# Altium PCB LION_TRACKER_BKP.PcbDoc (part 1 of 2) (continued)
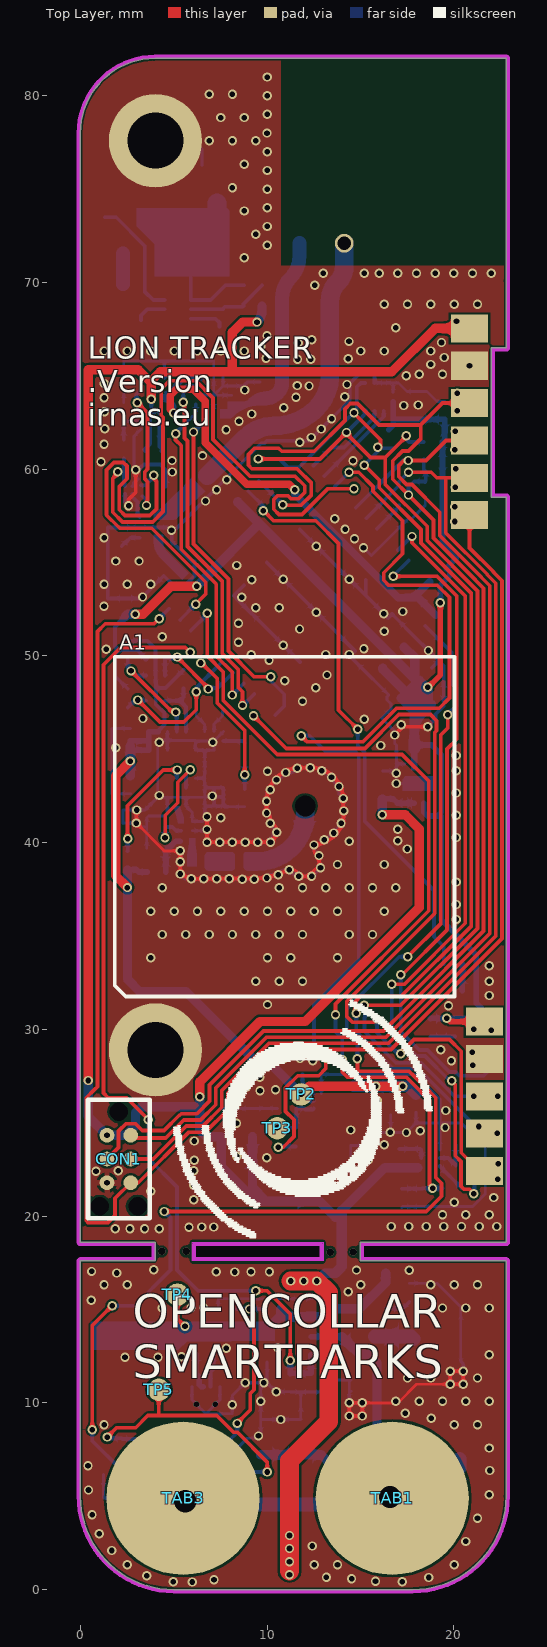
[diagram p0: Top Layer view]
## Part data (continued)
D3: library part "D_GREZ - MB1S", "Bridge Rectifier Diode, Single Phase, 100 V, 500 mA, SOIC, 1 V, 4 Pins", Diode Case Style=SOD-123, Forward Current If(AV)=300, Forward Surge Current Ifsm Max=2, Forward Voltage VF Max=1.25, Manufacturer="DIODES INC.", Manufacturer Part Number=1N4148W-7-F., Operating Temperature Max=150, Operating Temperature Min=-65, Operating Temperature Range="-65°C to +150°C<!--FANDB--><div class=\"features-and-benefits-container\"><div class=\"features-and-benefits-description\"><span class=\"features-benefits-value\">The 1N4148W-7-F is a surface mount fast Switching Diode with moulded plastic case. Suitable for general purpose switching applications.</span></div><div class=\"features-and-benefits-list\"><ul class=\"features-and-benefits-list-list\"><li class=\"features-and-benefits-list-item\">Fast Switching Speed</li><li class=\"features-and-benefits-list-item\">2", Repetitive Reverse Voltage Vrrm Max=100, Supplier Part Number 1=1467483, Automotive Qualification Standard=-, ComponentLink1Description=Datasheet, ComponentLink1URL=http://www.farnell.com/datasheets/2304089.pdf?_ga=2.145303924.1501170171.1569221802-1373726713.1554121096&_gac=1.216412644.1567774175.Cj0KCQjwh8jrBRDQARIsAH7BsXewc7Dwr4vpljjl78IYTw8YgbCKKX8PqbiwpEZSRALCWSJq0A6KVZoaAvm4EALw_wcB, Diode Configuration=Single, Diode Type=Switching, MSL="MSL 1 - Unlimited", No. of Pins=2, Packaging="Cut Tape", Pricing 1="1=0.136, 25=0.132, 100=0.0465, 500=0.042, 1000=0.024, 3000=0.021, 9000=0.017, 30000=0.0149 (GBP)", Product Range="1N4148 Series", Reverse Recovery Time trr Max=4, RoHS=YES, Stock 1=157320, Supplier 1=Farnell, SVHC="No SVHC (17-Dec-2015)"
D4: library part "D_TVS - SMAJ28A", "TVS Diode, SMAJ Series, Unidirectional, 28 V, 50 V, DO-214AC, 2 Pins", Manufacturer Part Number=SMAJ33A-13-F, Supplier Part Number 1=3127459, ComponentLink1Description=Datasheet, ComponentLink1URL=http://www.farnell.com/datasheets/2182694.pdf?_ga=2.17570096.807337928.1565251792-1741076818.1563951383, Supplier 1=Farnell
F1: library part "F - PTC FUSE 750mA", "LITTELFUSE - 0603L035YR - RESETTABLE FUSE, PTC, 40A, 6V, 0605", Carrying Current Max=40, Holding Current=350, Initial Resistance Max=1, IRNAS Part No.=/, Manufacturer=LITTELFUSE, Manufacturer Part Number=0603L035YR, Operating Temperature Max=85, Operating Temperature Min=-40, Operating Voltage=6, Power Dissipation Pd="0.5W<!--FANDB--><div class=\"features-and-benefits-container\"><div class=\"features-and-benefits-description\"><span class=\"features-benefits-value\">The POLYFUSE 0603", PTC Fuse Case Style="0603 [1608 Metric]", Supplier Part Number 1=2786561, Tripping Current=750, Automotive Qualification Standard=-, ComponentLink1Description=http://www.farnell.com/datasheets/611622.pdf, ComponentLink1URL=http://www.farnell.com/datasheets/611622.pdf, Holding Current Max Ih=350, Pricing 1="10=1.56, 100=1.22, 500=1.03, 1000=0.917, 2000=0.877, 4000=0.86, 20000=0.842, 40000=0.825 (GBP)", Product Range="POLYFUSE 0603", RoHS=YES, Stock 1=2393, Supplier 1=Farnell, Thermistor Mounting=SMD, Voltage Rating=6
L1: library part "L - 33nH/0402", "High Frequency Inductor, 8.2 nH, LQG15HN Series, 300 mA, 0402 [1005 Metric], Multilayer, 0.33 ohm", Case/Package=0402, Case Code (Metric)=1005, Current Rating=200mA, DC Resistance (DCR)=580mR, Inductance=33nh, IRNAS Part No.=/, Manufacturer=Murata, Manufacturer Part Number=LQG15HS33NJ02D, Max Operating Temperature=125°C, Min Operating Temperature=-55°C, Package Quantity=10000, Self Resonant Frequency=1.6GHz, Supplier Part Number 1=1343079, Test Frequency=100MHz, Tolerance=5%, Case Code (Imperial)=0402, ComponentLink1Description=https://datasheet.ciiva.com/11799/0900766b8090d685-11799024.pdf, ComponentLink1URL=https://datasheet.ciiva.com/11799/0900766b8090d685-11799024.pdf, ComponentLink2Description=https://datasheet.ciiva.com/1038/l0075s0083lqg15hs-1038140.pdf, ComponentLink2URL=https://datasheet.ciiva.com/1038/l0075s0083lqg15hs-1038140.pdf, ComponentLink3Description=https://datasheet.ciiva.com/1038/l0075s0083lqg15hs-1038141.pdf, ComponentLink3URL=https://datasheet.ciiva.com/1038/l0075s0083lqg15hs-1038141.pdf, ComponentLink4Description=https://datasheet.ciiva.com/16207/l0075s0083lqg15hs-16207871.pdf, ComponentLink4URL=https://datasheet.ciiva.com/16207/l0075s0083lqg15hs-16207871.pdf, ComponentLink5Description=https://datasheet.ciiva.com/1038/l0075s0083lqg15hs-1038139.pdf, ComponentLink5URL=https://datasheet.ciiva.com/1038/l0075s0083lqg15hs-1038139.pdf, ComponentLink6Description=https://datasheet.ciiva.com/17279/l0075s0083lqg15hs-17279253.pdf, ComponentLink6URL=https://datasheet.ciiva.com/17279/l0075s0083lqg15hs-17279253.pdf, ComponentLink7Description=https://datasheet.ciiva.com/4977/o05e-4977560.pdf, ComponentLink7URL=https://datasheet.ciiva.com/4977/o05e-4977560.pdf, ComponentLink8Description=https://datasheet.ciiva.com/8510/l0075s0083lqg15hs-8510857.pdf, ComponentLink8URL=https://datasheet.ciiva.com/8510/l0075s0083lqg15hs-8510857.pdf, Core Material=Air, DC Current=200mA, Depth=0.55mm, Height=0.5mm, Height - Seated (Max)=0.022inch, Lead Free="Lead Free", Length=1mm, Max DC Current=200mA, Military Standard=Not, Mount="Surface Mount", Packaging="Tape and Reel", Pricing 1="1=0.1, 10=0.061, 100=0.0404, 500=0.0337, 1000=0.0283, 2500=0.0242 (USD)", Q Factor=8, Radiation Hardening=No, Shielding=Unshielded, Stock 1=168013, Supplier 1=Farnell, Termination=SMD/SMT, Width=0.5mm
L4: library part "L - 4.3nH/0402", "Inductor RF Chip Multi-Layer 4.3nH 0.3nH 100MHz 8Q-Factor Air 300mA 210mOhm DCR 0402 Paper T/R", Case/Package=0402, Case Code (Metric)=1005, Current=300mA, DC Resistance (DCR)=210mR, Inductance=4.3nh, IRNAS Part No.=/, Manufacturer=Murata, Manufacturer Part Number=LQG15HN4N3S02D, Max Operating Temperature=125°C, Min Operating Temperature=-55°C, Package Quantity=10000, Self Resonant Frequency=6GHz, Supplier Part Number 1=1711735, Test Frequency=100MHz, Case Code (Imperial)=0402, ComponentLink1Description=http://uk.rs-online.com/webdocs/0f10/0900766b80f10808.pdf?src-supplier=RSComponents, ComponentLink1URL=http://uk.rs-online.com/webdocs/0f10/0900766b80f10808.pdf?src-supplier=RSComponents, ComponentLink2Description=http://search.murata.co.jp/Ceramy/image/img/PDF/ENG/L0075S0083LQG15HN.pdf?src-supplier=Avnet, ComponentLink2URL=http://search.murata.co.jp/Ceramy/image/img/PDF/ENG/L0075S0083LQG15HN.pdf?src-supplier=Avnet, ComponentLink3Description=http://www.farnell.com/datasheets/66026.pdf?src-supplier=Element14, ComponentLink3URL=http://www.farnell.com/datasheets/66026.pdf?src-supplier=Element14, ComponentLink4Description=https://www.verical.com/server-webapp/html/getDatasheet?partID=31252&src-supplier=Verical, ComponentLink4URL=https://www.verical.com/server-webapp/html/getDatasheet?partID=31252&src-supplier=Verical, ComponentLink5Description=http://search.murata.co.jp/Ceramy/image/img/PDF/ENG/L0075S0083LQG15HN.pdf?src-supplier=Avnet+Europe, ComponentLink5URL=http://search.murata.co.jp/Ceramy/image/img/PDF/ENG/L0075S0083LQG15HN.pdf?src-supplier=Avnet+Europe, ComponentLink6Description=https://search.murata.co.jp/Ceramy/image/img/P02/partnumberingAT_LQ3E.pdf?src-supplier=Digi-Key, ComponentLink6URL=https://search.murata.co.jp/Ceramy/image/img/P02/partnumberingAT_LQ3E.pdf?src-supplier=Digi-Key, Core Material=Air, Current Rating=300mA, DC Current=300mA, Depth=0.55mm, Height=0.5mm, Height - Seated (Max)=0.022inch, Lead Free="Lead Free", Length=1.05mm, Max DC Current=300mA, Military Standard=Not, Mount="Surface Mount", Packaging="Tape and Reel", Pricing 1="1 = 0.10000, 10 = 0.06100, 100 = 0.04040, 500 = 0.03366, 1000 = 0.02827, 2500 = 0.02423 (USD)", Q Factor=8, Radiation Hardening=No, REACH SVHC="No SVHC", RoHS=Yes, Shielding=Unshielded, Stock 1=3502, Supplier 1=Farnell, Termination=SMD/SMT, Width=0.02inch
L5: library part "L - 2.2 uH 900mA", "Power Inductor (SMD), 2.2 µH, 900 mA, Semishielded, 900 mA, SRN2009T Series, 2mm x 1.6mm x 0.95mm", IRNAS Part No.=/, Manufacturer=Bourns, Manufacturer Part Number=SRN2009T-2R2M, Supplier Part Number 1=2808272, Pricing 1="5=0.308, 50=0.201, 250=0.163, 500=0.145, 1000=0.133, 2000=0.124, 10000=0.116 (EUR)", Stock 1=1975, Supplier 1=Farnell
L6: library part "L - 22uH 1.1A SRN5020TA-220M", "Power Inductor (SMD), 22 µH, 1.1 A, Semishielded, 1.1 A, SRN5020TA Series, 5mm x 5mm x 1.8mm", DC Resistance Max=-, Inductance=33, Inductance Tolerance="± 20%", Inductor Construction=Shielded, IRNAS Part No.=/, Manufacturer=COILTRONICS, Manufacturer Part Number=DR125-330-R, Power Inductor Case="12.5mm x 12.5mm x 6", RMS Current (Irms)=3.28, Saturation Current (Isat)=3.84, Supplier Part Number 1=652-SRN5020TA-220M, ComponentLink1Description=Datasheet, ComponentLink1URL=http://www.farnell.com/datasheets/2675146.pdf?_ga=2.250340422.1501170171.1569221802-1373726713.1554121096&_gac=1.157768008.1567774175.Cj0KCQjwh8jrBRDQARIsAH7BsXewc7Dwr4vpljjl78IYTw8YgbCKKX8PqbiwpEZSRALCWSJq0A6KVZoaAvm4EALw_wcB, No. of Pins="2Pins<!--FANDB--><div class=\"features-and-benefits-container\"><div class=\"features-and-benefits-description\"><span class=\"features-benefits-value\">The DR125-330-R is a 33", Packaging="Cut Tape", Pricing 1="1=1.53, 10=1.02, 50=0.765, 100=0.68, 200=0.612, 600=0.51, 3000=0.456, 6000=0.447 (GBP)", Product Range="DR Series", RoHS=YES, Stock 1=5001, Supplier 1=Mouser, SVHC="No SVHC (15-Jun-2015)"
L7: library part "L - 1.5nH/0402", "1.5 nH, LQG15HS_02 Series, 1 A, 0402", Case/Package=0402, Case Code (Metric)=1005, Current=300mA, DC Resistance (DCR)=210mR, Inductance=4.3nh, IRNAS Part No.=/, Manufacturer=Murata, Manufacturer Part Number=LQG15HS1N5S02D, Max Operating Temperature=125°C, Min Operating Temperature=-55°C, Package Quantity=10000, Self Resonant Frequency=6GHz, Supplier Part Number 1=2840113, Test Frequency=100MHz, Case Code (Imperial)=0402, ComponentLink6Description=Datasheet, ComponentLink6URL=http://www.farnell.com/datasheets/2575533.pdf?_ga=2.129788748.1320867293.1574405148-1373726713.1554121096&_gac=1.24194632.1571402529.CjwKCAjwxaXtBRBbEiwAPqPxcCedmxiKa04iNyErqeZ3YE_megEuFQhz7mFuJRxR0uEYBmhYeHxt1xoC4MkQAvD_BwE, Core Material=Air, Current Rating=300mA, DC Current=300mA, Depth=0.55mm, Height=0.5mm, Height - Seated (Max)=0.022inch, Lead Free="Lead Free", Length=1.05mm, Max DC Current=300mA, Military Standard=Not, Mount="Surface Mount", Packaging="Tape and Reel", Pricing 1="1 = 0.10000, 10 = 0.06100, 100 = 0.04040, 500 = 0.03366, 1000 = 0.02827, 2500 = 0.02423 (USD)", Q Factor=8, Radiation Hardening=No, REACH SVHC="No SVHC", RoHS=Yes, Shielding=Unshielded, Stock 1=3502, Supplier 1=Farnell, Termination=SMD/SMT, Width=0.02inch
P1: "BATERRY 18650", Manufacturer 1=Samsung, Manufacturer Part Number=18650, Supplier 1=IRNAS
R1: library part "R - 0R/0402", "RESISTOR, 0402, 0R, ANTI SULFURATION", Case/Package=0402, Case Code (Metric)=1005, IRNAS Part No.=I-100016, Manufacturer=Multicomp, Manufacturer Part Number=MCMR04X000PTL, Power Rating=62.5mW, Resistance=0mR, Supplier Part Number 1=2072513, Temperature Coefficient=400ppm/°C, Voltage Rating=50V, Case Code (Imperial)=0402, ComponentLink1Description=https://datasheet.ciiva.com/7776/1716705-7776974.pdf, ComponentLink1URL=https://datasheet.ciiva.com/7776/1716705-7776974.pdf, ComponentLink2Description=https://datasheet.ciiva.com/28677/1716705-28677161.pdf, ComponentLink2URL=https://datasheet.ciiva.com/28677/1716705-28677161.pdf, Composition=Ceramic, Packaging="Cut Tape", Pricing 1="10=0.0057, 100=0.0034, 500=0.0024, 2500=0.0019, 5000=0.0015 (EUR)", REACH SVHC="No SVHC", Stock 1=0, Supplier 1=Farnell, Voltage Rating (DC)=50V
R2 R9 R14 R21 R23 R31: library part "R - 100R/0402", "100 ohm, 50 V, 0402 [1005 Metric], 62.5 mW,  1%", Case/Package=0402, Case Code (Metric)=1005, IRNAS Part No.=/, Manufacturer=Multicomp, Manufacturer Part Number=MCMR04X1000FTL, Power Rating=62.5mW, Supplier Part Number 1=2072515, Temperature Coefficient=100ppm/°C, Tolerance=1%, Voltage Rating=50V, Case Code (Imperial)=0402, ComponentLink1Description=https://datasheet.ciiva.com/28692/1716705-28692087.pdf, ComponentLink1URL=https://datasheet.ciiva.com/28692/1716705-28692087.pdf, ComponentLink2Description=https://datasheet.ciiva.com/22708/1716705-22708156.pdf, ComponentLink2URL=https://datasheet.ciiva.com/22708/1716705-22708156.pdf, Composition=Ceramic, Packaging="Cut Tape", Pricing 1="10=0.0071, 100=0.0042, 500=0.003, 2500=0.0024, 5000=0.0019 (GBP)", REACH SVHC="No SVHC", Resistance=100R, Stock 1=62365, Supplier 1=Farnell, Voltage Rating (DC)=50V
R3 R16 R22 R24 R27 R32: library part "R - 1M/0402", "MCMR04X1004FTL RES, 1M, 1%, 0.0625W, 0402, THICK FILM", IRNAS Part No.=I-100012, Manufacturer=MULTICOMP, Manufacturer Part Number=MC0063W060311M, Operating Temperature Max=155, Operating Temperature Min=-55, Operating Temperature Range="-55°C to +155", Power Rating=63, Resistance=1, Resistance Tolerance="± 1%", Resistor Case Style="0603 [1608 Metric]", Resistor Element Material="Thick Film", Resistor Mounting="Surface Mount Device", Supplier Part Number 1=9330410, Temperature Coeff. +=100, Temperature Coefficient="± 100", Tolerance +=1%, Voltage Rating=50, Voltage Rating V DC="50V<!--FANDB--><div class=\"features-and-benefits-container\"><div class=\"features-and-benefits-description\"><span class=\"features-benefits-value\">The Multicomp MC series current sense resistors are thick film chip resistors. The resistance range includes E96 and E24 decade values from 1ohm to 10Mohm.</span></div><div class=\"features-and-benefits-list\"><ul class=\"features-and-benefits-list-list\"><li class=\"features-and-benefits-list-item\">EIA 0402, 0603, 0805, 1206 chip sizes available</li><li class=\"features-and-benefits-list-item\">Small size and low weight</li><li class=\"features-and-benefits-list-item\">Suitable for both wave and reflow soldering</li><li class=\"features-and-benefits-list-item\">Reduction of assembly costs</li><li class=\"features-and-benefits-list-item\">Maximum working voltage of 50V(0402, 0603), 150V(0805), 200V(1206)</li><li class=\"features-and-benefits-list-item\">Available in ±1%, ±2% and ±5% tolerance</li><li class=\"features-and-benefits-list-item\">Power rating of 62.5mW, 100mW and 125mW</li><li class=\"features-and-benefits-list-item\">±400ppm/°C(1ohm to 10ohm), ±200ppm/°C(11ohm to 100ohm), ±100", Automotive Qualification Standard=-, ComponentLink1Description=http://www.farnell.com/datasheets/1788326.pdf, ComponentLink1URL=http://www.farnell.com/datasheets/1788326.pdf, ComponentLink2Description=http://www.farnell.com/cad/1558928.zip, ComponentLink2URL=http://www.farnell.com/cad/1558928.zip, External Depth=0.45, External Length / Height=1.6, External Width=0.8, No. of Pins=2, Packaging="Cut Tape", Pricing 1="10=0.0011, 100=0.001, 500=0.0009, 1000=0.0008, 2500=0.0007 (GBP)", Product Range="MC Series", Reel Quantity=5000, RoHS=Y-EX, Stock 1=333415, Supplier 1=Farnell, SVHC="No SVHC (17-Dec-2015)", Tape Width=8, Temperature Coeff. -=100, Tolerance -=1%
R4 R5 R6 R7 R8 R13 R20: library part "R - 100k/0402", "100KOHM, 1%, 0.0625W", Case/Package=0402, Case Code (Metric)=1005, IRNAS Part No.=I-100013, Manufacturer=Multicomp, Manufacturer Part Number=MCWR04X1003FTL, Power Rating=62.5mW, Resistance=100kR, Supplier Part Number 1=2447094, Temperature Coefficient=100ppm/°C, Tolerance=1%, Voltage Rating=50V, Case Code (Imperial)=0402, ComponentLink1Description=https://datasheet.ciiva.com/46386/1849611-46386524.pdf, ComponentLink1URL=https://datasheet.ciiva.com/46386/1849611-46386524.pdf, Composition="Thick Film", Mount="Surface Mount", Packaging="Cut Tape", Pricing 1="10=0.0029, 100=0.0017, 500=0.0012, 2500=0.001, 5000=0.0008 (EUR)", REACH SVHC="No SVHC", Stock 1=161188, Supplier 1=Farnell, Voltage Rating (DC)=50V
R10 R11 R17 R18 R30: library part "R - 10k/0402", "10 kohm, 50 V, 0402 [1005 Metric], 62.5 mW,  1%, MCWR Series", Case/Package=0402, Case Code (Metric)=1005, IRNAS Part No.=I-100014, Manufacturer=Multicomp, Manufacturer Part Number=MCWR04X1002FTL, Power Rating=62.5mW, Resistance=10kR, Supplier Part Number 1=2447096, Temperature Coefficient=100ppm/°C, Tolerance=1%, Voltage Rating=50V, Case Code (Imperial)=0402, ComponentLink1Description=http://www.farnell.com/datasheets/1849611.pdf, ComponentLink1URL=http://www.farnell.com/datasheets/1849611.pdf, Composition="Thick Film", Packaging="Cut Tape", Pricing 1="10=0.0029, 100=0.0017, 500=0.0012, 2500=0.001, 5000=0.0008 (EUR)", REACH SVHC="No SVHC", Stock 1=602609, Supplier 1=Farnell, Voltage Rating (DC)=50V
R12: library part "R - 330R/0402", "MULTICOMP   MCMR04X3300FTL   Surface Mount Chip Resistor, Ceramic, MCMR Series, 330 ohm, 62.5 mW,  1%, 50 V, 0402 [1005 Metric]", Case/Package=0402, Case Code (Metric)=1005, IRNAS Part No.=/, Manufacturer=Multicomp, Manufacturer Part Number=MCMR04X3300FTL, Power Rating=62.5mW, Supplier Part Number 1=2692084, Temperature Coefficient=100ppm/°C, Tolerance=1%, Voltage Rating=50V, Case Code (Imperial)=0402, ComponentLink1Description=https://datasheet.ciiva.com/28673/1716706-28673288.pdf, ComponentLink1URL=https://datasheet.ciiva.com/28673/1716706-28673288.pdf, Composition=Ceramic, Packaging="Cut Tape", Pricing 1="10000=0.0015, 50000=0.0013 (EUR)", REACH SVHC="No SVHC", Resistance=330R, Stock 1=20000, Supplier 1=Farnell, Voltage Rating (DC)=50V
R15: library part "R - 390R/0402", "390 ohm, MCWR Series, 50 V, Thick Film, 62.5 mW", Case/Package=0402, Case Code (Metric)=1005, IRNAS Part No.=/, Manufacturer=Multicomp, Manufacturer Part Number=390/0402, Power Rating=62.5mW, Supplier Part Number 1=2447165, Temperature Coefficient=400ppm/°C, Voltage Rating=50V, Case Code (Imperial)=0402, ComponentLink1Description=Datasheet, ComponentLink1URL=http://www.farnell.com/datasheets/2563624.pdf?_ga=2.57959210.1822379758.1564985606-1373726713.1554121096&_gac=1.48955732.1562763802.CjwKCAjwmZbpBRAGEiwADrmVXm8xT8OHDZvJe8qZIQyyGmIuiUD-TEITatw0hIdDkyBwIXXCH7oneRoCl7cQAvD_BwE, Composition=Ceramic, Packaging="Cut Tape", Pricing 1="10=0.0057, 100=0.0034, 500=0.0024, 2500=0.0019, 5000=0.0015 (EUR)", REACH SVHC="No SVHC", Resistance=390R, Stock 1=0, Supplier 1=Farnell, Voltage Rating (DC)=50V
R19: library part "R - 50R", "50 ohm, FC Series, 30 V, Thin Film, 50 mW", Case/Package=0603, Case Code (Metric)=1608, IRNAS Part No.=/, Manufacturer=Vishay, Manufacturer Part Number=CRCW060351R0FKEA, Max Operating Temperature=155°C, Max Power Dissipation=100mW, Min Operating Temperature=-55°C, Package Quantity=10, Resistance=51R, Supplier Part Number 1=2309101, Temperature Coefficient=100ppm/°C, Tolerance=1%, Voltage Rating=75V, Case Code (Imperial)=0603, ComponentLink11Description=Datasheet, ComponentLink11URL=http://www.farnell.com/datasheets/2045976.pdf?_ga=2.23751994.1451481302.1563774341-1373726713.1554121096&_gac=1.92491119.1562763802.CjwKCAjwmZbpBRAGEiwADrmVXm8xT8OHDZvJe8qZIQyyGmIuiUD-TEITatw0hIdDkyBwIXXCH7oneRoCl7cQAvD_BwE, Composition="Thick Film", Contact Plating=Tin, Depth=0.85mm, Height=0.45mm, Lead Free="Lead Free", Length=1.55mm, Military Standard=Not, Number of Pins=2, Number of Terminations=2, Packaging="Tape and Reel", Power Rating=100mW, Pricing 1="10=0.0116, 250=0.0087, 500=0.0059, 1250=0.0052, 2500=0.0046 (GBP)", Radiation Hardening=No, REACH SVHC=Unknown, Stock 1=1083, Supplier 1=Farnell, Termination=SMD/SMT, Voltage Rating (DC)=75V, Weight=7.1E-05oz, Width=0.85mm, Working Voltage=75V
R25: library part "R - 768k/0402", "RESISTOR, 0402, 768k, ANTI SULFURATION", Case/Package=0402, Case Code (Metric)=1005, IRNAS Part No.=I-100016, Manufacturer=Multicomp, Manufacturer Part Number=MCMR04X000PTL, Power Rating=62.5mW, Resistance=0mR, Supplier Part Number 1=2670555, Temperature Coefficient=400ppm/°C, Voltage Rating=50V, Case Code (Imperial)=0402, Composition=Ceramic, Packaging="Cut Tape", Pricing 1="10=0.0057, 100=0.0034, 500=0.0024, 2500=0.0019, 5000=0.0015 (EUR)", REACH SVHC="No SVHC", Stock 1=0, Supplier 1=Farnell, Voltage Rating (DC)=50V
R26: library part "R - 0R", "BOURNS - CR0603-J/-000ELF - RES, THICK FILM, 0R, 5%, 0.1W, 0603", IRNAS Part No.=I-100011, Manufacturer=BOURNS, Manufacturer Part Number=CR0603-J/-000ELF, Power Rating=100, Resistance=0, Resistance Tolerance="± 5%", Resistor Case Style="0603 [1608 Metric]", Resistor Element Material="Thick Film", Resistor Mounting="Surface Mount Device<!--FANDB--><div class=\"features-and-benefits-container\"><div class=\"features-and-benefits-description\"><span class=\"features-benefits-value\">The Bourns CR series are standard thick film chip resistors. These resistors provide flexibility of performance, space saving and low cost. The Resistance range includes E96 and E24 decade values from 1ohm to 10Mohm.</span></div><div class=\"features-and-benefits-list\"><ul class=\"features-and-benefits-list-list\"><li class=\"features-and-benefits-list-item\">0201, 0402, 0603, 0805, 1206, 1210, 2010, 2512 standard case sizes available</li><li class=\"features-and-benefits-list-item\">±1% and ±5% tolerance</li><li class=\"features-and-benefits-list-item\">±100ppm/°C, ±200ppm/°C and ±250ppm/°C TCR values available</li><li class=\"features-and-benefits-list-item\">Power rating selectable for 50mW, 63mW, 0.1W, 0.125W, 0.25W, 0.5W and 1W based on ordering</li><li class=\"features-and-benefits-list-item\">Jumpers are available for all size</li><li class=\"features-and-benefits-list-item\">3 layer termination process with nickel barrier prevents leaching & provides excellent solderability</li><li class=\"features-and-benefits-list-item\">Suitable for all type of soldering processes</li><li class=\"features-and-benefits-list-item\">Tight dimensional tolerances</li><li class=\"features-and-benefits-list-item\">Maximum working voltage depends on case size</li><li class=\"features-and-benefits-list-item\">Operating temperature of -55°C to +125°C(CR0201) and -55°C to +155", Supplier Part Number 1=2008343, Temperature Coefficient=-, Voltage Rating=50, Automotive Qualification Standard=-, ComponentLink1Description=http://www.bourns.com/engineering/CHPREZTR/cr0603.stp, ComponentLink1URL=http://www.bourns.com/engineering/CHPREZTR/cr0603.stp, ComponentLink2Description=http://www.farnell.com/datasheets/2178762.pdf, ComponentLink2URL=http://www.farnell.com/datasheets/2178762.pdf, MSL="MSL 1 - Unlimited", Packaging="Cut Tape", Pricing 1="10=0.0146, 250=0.0097, 1000=0.0073, 5000=0.0049, 12500=0.0042 (GBP)", Product Range="CR Series", RoHS=YES, Stock 1=58200, Supplier 1=Farnell, SVHC="No SVHC (17-Dec-2015)"
R28: library part "R - 10k/0402", "52.3 kohm, 50 V, 0402 [1005 Metric], 62.5 mW,  1%, MCWR Series", Case/Package=0402, Case Code (Metric)=1005, Manufacturer=Multicomp, Manufacturer Part Number=MCWR04X1002FTL, Power Rating=62.5mW, Resistance=10kR, Supplier Part Number 1=2073114, Temperature Coefficient=100ppm/°C, Tolerance=1%, Voltage Rating=50V, Case Code (Imperial)=0402, ComponentLink1Description=http://www.farnell.com/datasheets/1849611.pdf, ComponentLink1URL=http://www.farnell.com/datasheets/1849611.pdf, Composition="Thick Film", Packaging="Cut Tape", Pricing 1="10=0.0029, 100=0.0017, 500=0.0012, 2500=0.001, 5000=0.0008 (EUR)", REACH SVHC="No SVHC", Stock 1=602609, Supplier 1=Farnell, Voltage Rating (DC)=50V
R29: library part "R - 2k/0402", "2 kohm, 62.5 mW,  1%, 50 V", Case/Package=0402, Case Code (Metric)=1005, IRNAS Part No.=/, Manufacturer=Multicomp, Manufacturer Part Number=MCWR04X2001FTL, Power Rating=62.5mW, Resistance=2kR, Supplier Part Number 1=2447147, Temperature Coefficient=100ppm/°C, Tolerance=1%, Voltage Rating=50V, Case Code (Imperial)=0402, ComponentLink1Description=https://datasheet.ciiva.com/46443/1849611-46443359.pdf, ComponentLink1URL=https://datasheet.ciiva.com/46443/1849611-46443359.pdf, Composition="Thick Film", Mount="Surface Mount", Packaging="Cut Tape", Pricing 1="10=0.0029, 100=0.0017, 500=0.0012, 2500=0.001, 5000=0.0008 (EUR)", REACH SVHC="No SVHC", Stock 1=18534, Supplier 1=Farnell, Voltage Rating (DC)=50V
R33: library part "R - 165k/0402", "RES SMD 165K OHM 1% 1/16W 0402", Case/Package=0402, Case Code (Metric)=1005, IRNAS Part No.=/, Manufacturer=Vishay, Manufacturer Part Number=CRCW0402165KFKED, Max Operating Temperature=155°C, Max Power Dissipation=63mW, Min Operating Temperature=-55°C, Package Quantity=10, Resistance=165kR, Supplier Part Number 1=2072686, Temperature Coefficient=100ppm/°C, Tolerance=1%, Voltage Rating=50V, Case Code (Imperial)=0402, ComponentLink1Description=https://datasheet.ciiva.com/11817/0900766b80d98824-11817998.pdf, ComponentLink1URL=https://datasheet.ciiva.com/11817/0900766b80d98824-11817998.pdf, ComponentLink2Description=https://datasheet.ciiva.com/2463/dcrcwe3-2463568.pdf, ComponentLink2URL=https://datasheet.ciiva.com/2463/dcrcwe3-2463568.pdf, ComponentLink3Description=https://datasheet.ciiva.com/2463/dcrcwe3-2463569.pdf, ComponentLink3URL=https://datasheet.ciiva.com/2463/dcrcwe3-2463569.pdf, ComponentLink4Description=https://datasheet.ciiva.com/2463/dcrcwe3-2463570.pdf, ComponentLink4URL=https://datasheet.ciiva.com/2463/dcrcwe3-2463570.pdf, ComponentLink5Description=https://datasheet.ciiva.com/16202/dcrcwe3-16202613.pdf, ComponentLink5URL=https://datasheet.ciiva.com/16202/dcrcwe3-16202613.pdf, ComponentLink6Description=https://datasheet.ciiva.com/22705/1697337-22705813.pdf, ComponentLink6URL=https://datasheet.ciiva.com/22705/1697337-22705813.pdf, ComponentLink7Description=https://datasheet.ciiva.com/22676/1912744-22676022.pdf, ComponentLink7URL=https://datasheet.ciiva.com/22676/1912744-22676022.pdf, ComponentLink8Description=https://datasheet.ciiva.com/3256/dcrcwe3-3256088.pdf, ComponentLink8URL=https://datasheet.ciiva.com/3256/dcrcwe3-3256088.pdf, ComponentLink9Description=https://datasheet.ciiva.com/16760/70201119-16760089.pdf, ComponentLink9URL=https://datasheet.ciiva.com/16760/70201119-16760089.pdf, ComponentLink10Description=https://datasheet.ciiva.com/7714/1697337-7714174.pdf, ComponentLink10URL=https://datasheet.ciiva.com/7714/1697337-7714174.pdf, ComponentLink11Description=https://datasheet.ciiva.com/5545/dcrcwe3-109170-5545151.pdf, ComponentLink11URL=https://datasheet.ciiva.com/5545/dcrcwe3-109170-5545151.pdf, ComponentLink12Description=https://datasheet.ciiva.com/7714/1697337-7714175.pdf, ComponentLink12URL=https://datasheet.ciiva.com/7714/1697337-7714175.pdf, Composition="Thick Film", Contact Plating=Tin, Depth=0.5mm, Height=0.35mm, Length=1mm, Military Standard=Not, Number of Pins=2, Number of Terminations=2, Packaging="Tape and Reel", Power Rating=63mW, Pricing 1="1=0.1, 10=0.044, 100=0.0178, 1000=0.00802, 2500=0.00696, 5000=0.00575 (USD)", REACH SVHC=Unknown, Stock 1=5845, Supplier 1=Farnell, Termination=SMD/SMT, Weight=2.3E-05oz, Width=0.02inch
R34: library part "R - 10k/0402", "10 kohm, 50 V, 0402, 62.5 mW,  1%,", Case/Package=0402, Case Code (Metric)=1005, IRNAS Part No.=I-100014, Manufacturer=Multicomp, Manufacturer Part Number=MCWR04X1002FTL, Power Rating=62.5mW, Resistance=10kR, Supplier Part Number 1=2447096, Temperature Coefficient=100ppm/°C, Tolerance=1%, Voltage Rating=50V, Case Code (Imperial)=0402, ComponentLink1Description=http://www.farnell.com/datasheets/1849611.pdf, ComponentLink1URL=http://www.farnell.com/datasheets/1849611.pdf, Composition="Thick Film", Packaging="Cut Tape", Pricing 1="10=0.0029, 100=0.0017, 500=0.0012, 2500=0.001, 5000=0.0008 (EUR)", REACH SVHC="No SVHC", Stock 1=602609, Supplier 1=Farnell, Voltage Rating (DC)=50V
R35: library part "R - 330R/0402", "330 ohm, 62.5 mW,  1%, 50 V, 0402 [1005 Metric]", Case/Package=0402, Case Code (Metric)=1005, IRNAS Part No.=/, Manufacturer=Multicomp, Manufacturer Part Number=MCMR04X3300FTL, Power Rating=62.5mW, Supplier Part Number 1=2692084, Temperature Coefficient=100ppm/°C, Tolerance=1%, Voltage Rating=50V, Case Code (Imperial)=0402, ComponentLink1Description=https://datasheet.ciiva.com/28673/1716706-28673288.pdf, ComponentLink1URL=https://datasheet.ciiva.com/28673/1716706-28673288.pdf, Composition=Ceramic, Packaging="Cut Tape", Pricing 1="10000=0.0015, 50000=0.0013 (EUR)", REACH SVHC="No SVHC", Resistance=330R, Stock 1=20000, Supplier 1=Farnell, Voltage Rating (DC)=50V
R36: library part "R - 2k/0402", "2.2 kohm, 62.5 mW,  1%, 50 V", Case/Package=0402, Case Code (Metric)=1005, Manufacturer=Multicomp, Manufacturer Part Number=MCWR04X2001FTL, Power Rating=62.5mW, Resistance="2k\"R", Supplier Part Number 1=2447148, Temperature Coefficient=100ppm/°C, Tolerance=1%, Voltage Rating=50V, Case Code (Imperial)=0402, ComponentLink1Description=https://datasheet.ciiva.com/46443/1849611-46443359.pdf, ComponentLink1URL=https://datasheet.ciiva.com/46443/1849611-46443359.pdf, Composition="Thick Film", Mount="Surface Mount", Packaging="Cut Tape", Pricing 1="10=0.0029, 100=0.0017, 500=0.0012, 2500=0.001, 5000=0.0008 (EUR)", REACH SVHC="No SVHC", Stock 1=18534, Supplier 1=Farnell, Voltage Rating (DC)=50V
T1: library part "T_M - NTZD3154NT1G", "Dual MOSFET, Dual N Channel, 540 mA, 20 V, 0.4 ohm, 4.5 V, 1 V", Supplier Part Number 1=2533209, Author="Ciril Golob", ComponentLink1Description=Datasheet, ComponentLink1URL=c:\ELRADSVN\Altium_Library\Libraries\Active\Datasheet\BSS123.pdf, ComponentLink2Description="Datasheet www", ComponentLink2URL=http://www.onsemi.com/pub/Collateral/BSS123-D.PDF, Date=11.07.2018, ELRAD Id sifra / ELRAD Id No=597778, FIT=0.44, Komp / Device=SMD, Manufacturer Part Number=NTZD3154NT1G, Opis / Description="MOSFET BSS123       /N-Channel", Supplier 1=Farnell, Velikost / Size=SOT23
T2 T3: library part "T_M - VT6M1T2CR", "Dual MOSFET, N and P Channel, 100 mA, 20 V, 2.5 ohm, 4.5 V, 1 V", Supplier Part Number 1=2706721, Author="Ciril Golob", ComponentLink1Description=Datasheet, ComponentLink1URL=http://www.farnell.com/datasheets/2198041.pdf?_ga=2.191543850.1451481302.1563774341-1373726713.1554121096&_gac=1.95045230.1562763802.CjwKCAjwmZbpBRAGEiwADrmVXm8xT8OHDZvJe8qZIQyyGmIuiUD-TEITatw0hIdDkyBwIXXCH7oneRoCl7cQAvD_BwE, ComponentLink2Description="Datasheet www", ComponentLink2URL=http://www.onsemi.com/pub/Collateral/BSS123-D.PDF, Date=11.07.2018, ELRAD Id sifra / ELRAD Id No=597778, FIT=0.44, Komp / Device=SMD, Manufacturer Part Number=VT6M1T2CR, Opis / Description="MOSFET BSS123       /N-Channel", Supplier 1=Farnell, Velikost / Size=SOT23
T4: library part "T_M - DMG2302UK", "MOSFET Transistor, N Channel, 2.8 A, 20 V, 0.061 ohm, 4.5 V, 600 mV", Supplier Part Number 1=3127315, Author="Ciril Golob", ComponentLink1Description=Datasheet, ComponentLink1URL=c:\ELRADSVN\Altium_Library\Libraries\Active\Datasheet\BSS123.pdf, ComponentLink2Description="Datasheet www", ComponentLink2URL=http://www.onsemi.com/pub/Collateral/BSS123-D.PDF, Date=11.07.2018, ELRAD Id sifra / ELRAD Id No=597778, FIT=0.44, Komp / Device=SMD, Manufacturer Part Number=DMG2302UK-7, Opis / Description="MOSFET BSS123       /N-Channel", Supplier 1=Farnell, Velikost / Size=SOT23
T5 T6: library part "T_M - SI2374DS-T1-GE3", "MOSFET Transistor, N Channel, 5.9 A, 20 V, 0.025 ohm, 4.5 V, 1 V", Supplier Part Number 1=2646371, Author="Ciril Golob", ComponentLink1Description=Datasheet, ComponentLink1URL=c:\ELRADSVN\Altium_Library\Libraries\Active\Datasheet\BSS123.pdf, ComponentLink2Description="Datasheet www", ComponentLink2URL=http://www.onsemi.com/pub/Collateral/BSS123-D.PDF, Date=11.07.2018, ELRAD Id sifra / ELRAD Id No=597778, FIT=0.44, Komp / Device=SMD, Manufacturer Part Number=SI2374DS-T1-GE3, Opis / Description="MOSFET BSS123       /N-Channel", Supplier 1=Farnell, Velikost / Size=SOT23
TAB1 TAB3: library part "TAB - WP-SMBU SMD", "WP-SMBU SMD Internal blind-hole thread w. Pins", Manufacturer Part Number=7466203, Supplier Part Number 1=2405986, ComponentLink1Description=Datasheet, ComponentLink1URL=https://katalog.we-online.com/em/datasheet/7466103.pdf, Supplier 1=Farnell
TP2 TP3 TP4 TP5: "TEST POINT ROUND SMD", ComponentLink1Description=Datasheet, FIT=0.94, Komp / Device=SMD
U1: library part "RF - UBLOX-ZOE-M8B", "ZOE-M8 RF Receiver BeiDou, Galileo, GLONASS, GNSS, GPS -160dBm", Manufacturer=u-blox, Manufacturer Part Number=MAX-M8Q-0, Supplier Part Number 1=672-1063-1-ND, Stock 1=10805, Supplier 1=Digi-Key
U2: library part "RF - MAX2659", "RF Amplifier, GPS / GNSS, 20.5 dB Gain / 0.8 dB Noise, 1575.42 MHz, 1.6 V to 3.3 V Supply", Manufacturer=u-blox, Manufacturer Part Number=MAX-M8Q-0, Supplier Part Number 1=2800966, ComponentLink1Description=Datasheet, ComponentLink1URL=D:\altium\Altium_Library\Active\Datasheet\MAX2659.pdf, Stock 1=10805, Supplier 1=Farnell, Supplier 2=Mouser, Supplier Part Number 2=700-MAX2659ELT+T
U3: library part "RF - PE64102", "RF IC Digitally Tunable Capacitor General Purpose 100MHz ~ 3GHz SPI Interface 12-QFN (2x2)", Manufacturer=u-blox, Manufacturer Part Number=MAX-M8Q-0, Supplier Part Number 1=1046-1066-1-ND, Stock 1=10805, Supplier 1=Digi-Key
U4: library part "MCU - CMWX1ZZABZ", "RF Module, FSK, OOK, LoRa, 4.8Kbps, 915MHz, -135.5dBm, 2.2V to 3.6V, I2C, SPI, UART, USB", Manufacturer=Murata, Manufacturer Part Number=CMWX1ZZABZ-091, Supplier Part Number 1=81-CMWX1ZZABZ-091, ComponentLink1Description=Datasheet, ComponentLink1URL=D:\altium\Altium_Library\Active\Datasheet\CMWX1ZZABZ.pdf, Pricing 1="1=11.7, 5=11.06, 10=9.94, 50=9.54, 100=9.14, 250=8.05 (GBP)", Stock 1=175, Supplier 1=Mouser
U5: library part "RF - HHM22106C1", "Signal Conditioning DIRECTIONAL COUPLER 700-2700MHz", Manufacturer=u-blox, Manufacturer Part Number=MAX-M8Q-0, Supplier Part Number 1=810-HHM22106C1, ComponentLink1Description=Datasheet, ComponentLink1URL=https://eu.mouser.com/datasheet/2/400/f_coupler_hhm22106c1_en-1308651.pdf, Stock 1=10805, Supplier 1=Mouser
U6: library part "RF - LMH2110TMX", "RF Detector IC GSM, EDGE, CDMA 50MHz ~ 8GHz -40dBm ~ 5dBm ±0,5dB", Manufacturer=u-blox, Manufacturer Part Number=MAX-M8Q-0, Supplier Part Number 1=926-LMH2110TMX/NOPB, ComponentLink1Description=Datasheet, ComponentLink1URL=http://www.ti.com/lit/ds/symlink/lmh2110.pdf, Stock 1=10805, Supplier 1=Mouser
U7: library part "V_SW - MAX38640AENT+", "Switching Voltage Regulators Tiny 300nA nanoPower Buck converters in uDFN and WLP pacakges", DC / DC Converter IC Case=TO-263, Input Voltage Max=45, Input Voltage Min=4.5, Manufacturer=ROHM, Manufacturer Part Number=BD70522GUL, Operating Temperature Max=125, Output Current=3, Output Voltage Max=37, Output Voltage Min=1.23, Supplier Part Number 1=700-MAX38640AENT+, Switching Frequency=150, Automotive Qualification Standard=-, ComponentLink1Description=Datasheet, ComponentLink1URL=https://eu.mouser.com/datasheet/2/256/MAX38640A-MAX38643B-1516623.pdf, MSL="MSL 1 - Unlimited", No. of Outputs=1, No. of Pins=5, Packaging=Each, Product Range=-, RoHS=YES, Supplier 1=Mouser, SVHC="No SVHC (12-Jan-2017", Topology="Buck (Step Down)"
U8: library part "V_LIN - MCP1810T", "LDO Voltage Regulator, Fixed, 2.5 V to 5.5 V in, 2.5 V/150 mA out, 380 mV drop", DC / DC Converter IC Case=TO-263, Input Voltage Max=45, Input Voltage Min=4.5, Manufacturer="ON SEMICONDUCTOR", Manufacturer Part Number=LM2596DSADJG, Operating Temperature Max=125, Output Current=3, Output Voltage Max=37, Output Voltage Min=1.23, Supplier Part Number 1=2678432, Switching Frequency=150, Automotive Qualification Standard=-, MSL="MSL 1 - Unlimited", No. of Outputs=1, No. of Pins=5, Packaging=Each, Pricing 1="1=1.98, 10=1.49, 100=1.19, 500=1.04, 1000=0.859, 2500=0.785 (GBP)", Product Range=-, RoHS=YES, Stock 1=342, Supplier 1=Farnell, Supplier 2=Mouser, Supplier 3=Digi-Key, Supplier Part Number 2=579-MCP1810T-25I/J8A, Supplier Part Number 3=MCP1810T-25I/J8ADKR-ND, SVHC="No SVHC (12-Jan-2017", Topology="Buck (Step Down)"
U9: library part "SEN - DRV5032FBDBZR", "Board Mount Hall Effect/Magnetic Sensors LP HALL 32FBDBZR", Case/Package=QFN, Manufacturer="TDK InvenSense", Manufacturer Part Number=MPU-9250, Max Operating Temperature=85°C, Max Supply Voltage=3.6V, Min Operating Temperature=-40°C, Min Supply Voltage=2.4V, Package Quantity=1, Supplier Part Number 1=595-DRV5032FBDBZR, ComponentLink1Description=Datasheet, ComponentLink1URL=http://www.ti.com/general/docs/suppproductinfo.tsp?distId=26&gotoUrl=http%3A%2F%2Fwww.ti.com%2Flit%2Fgpn%2Fdrv5032, Height=1mm, Interface=I2C, Length=3.1mm, Mount="Surface Mount", Number of Pins=24, Output Type=SPI, RoHS=Yes, Sensor Type=Accelerometer, Stock 1=0, Supplier 1=Mouser, Width=3.1mm
U10: library part "SEN - LIS2DW12TR", "MEMS Accelerometer, Digital, X, Y, Z, ± 2g, ± 4g, ± 8g, ± 16g, 1.62 V, 3.6 V", Case/Package=QFN, Manufacturer="TDK InvenSense", Manufacturer Part Number=MPU-9250, Max Operating Temperature=85°C, Max Supply Voltage=3.6V, Min Operating Temperature=-40°C, Min Supply Voltage=2.4V, Package Quantity=1, Supplier Part Number 1=2849615, ComponentLink1Description=Datasheet, ComponentLink1URL=D:\altium\Altium_Library\Active\Datasheet\LIS2DW12TR.pdf, Height=1mm, Interface=I2C, Length=3.1mm, Mount="Surface Mount", Number of Pins=24, Output Type=SPI, RoHS=Yes, Sensor Type=Accelerometer, Stock 1=0, Supplier 1=Farnell, Width=3.1mm
U12: library part "V_SW - MCP16311T-E/MNY", "DC-DC Synchronous Buck Regulator, Adjustable, 4.4V to 30V In, 2V to 24V/1A Out, 500kHz", DC / DC Converter IC Case=TO-263, Input Voltage Max=45, Input Voltage Min=4.5, Manufacturer=ROHM, Manufacturer Part Number=BD70522GUL, Operating Temperature Max=125, Output Current=3, Output Voltage Max=37, Output Voltage Min=1.23, Supplier Part Number 1=2857600, Switching Frequency=150, Automotive Qualification Standard=-, ComponentLink1Description=DataSheet, ComponentLink1URL=http://www.farnell.com/datasheets/1886710.pdf?_ga=2.254397512.1501170171.1569221802-1373726713.1554121096&_gac=1.218101220.1567774175.Cj0KCQjwh8jrBRDQARIsAH7BsXewc7Dwr4vpljjl78IYTw8YgbCKKX8PqbiwpEZSRALCWSJq0A6KVZoaAvm4EALw_wcB, MSL="MSL 1 - Unlimited", No. of Outputs=1, No. of Pins=5, Packaging=Each, Product Range=-, RoHS=YES, Supplier 1=Farnell, SVHC="No SVHC (12-Jan-2017", Topology="Buck (Step Down)"
U13: library part "V_CHG - MCP73812T-420I/OT", "Battery Charger for 1 Cell of Li-Ion, Li-Pol battery, 6V input, 4.2V / 500mA charge", DC / DC Converter IC Case=TO-263, Input Voltage Max=45, Input Voltage Min=4.5, Manufacturer=ROHM, Manufacturer Part Number=BD70522GUL, Operating Temperature Max=125, Output Current=3, Output Voltage Max=37, Output Voltage Min=1.23, Supplier Part Number 1=1627187, Switching Frequency=150, Automotive Qualification Standard=-, ComponentLink1Description=DataSheet, ComponentLink1URL=http://www.farnell.com/datasheets/77596.pdf?_ga=2.208849234.1501170171.1569221802-1373726713.1554121096&_gac=1.183481812.1567774175.Cj0KCQjwh8jrBRDQARIsAH7BsXewc7Dwr4vpljjl78IYTw8YgbCKKX8PqbiwpEZSRALCWSJq0A6KVZoaAvm4EALw_wcB, MSL="MSL 1 - Unlimited", No. of Outputs=1, No. of Pins=5, Packaging=Each, Product Range=-, RoHS=YES, Supplier 1=Farnell, SVHC="No SVHC (12-Jan-2017", Topology="Buck (Step Down)"
U14: library part "BAT_PROTECT - BQ29700DSET", "Li-Ion Battery, Li-Pol Voltage & Current Protector, Single Cell, 1.5 V to 8 V supply,", DC / DC Converter IC Case=TO-263, Input Voltage Max=45, Input Voltage Min=4.5, Manufacturer="ON SEMICONDUCTOR", Manufacturer Part Number=LM2596DSADJG, Operating Temperature Max=125, Output Current=3, Output Voltage Max=37, Output Voltage Min=1.23, Supplier Part Number 1=3123826, Switching Frequency=150, Automotive Qualification Standard=-, ComponentLink1Description=Datasheet, ComponentLink1URL=http://www.ti.com/lit/ds/symlink/bq2970.pdf, MSL="MSL 1 - Unlimited", No. of Outputs=1, No. of Pins=5, Packaging=Each, Pricing 1="1=1.98, 10=1.49, 100=1.19, 500=1.04, 1000=0.859, 2500=0.785 (GBP)", Product Range=-, RoHS=YES, Stock 1=342, Supplier 1=Farnell, SVHC="No SVHC (12-Jan-2017", Topology="Buck (Step Down)"
X1: library part "X - 9HT11-32.768KEZC-T", "Crystal, 32.768 kHz, SMD, 2mm x 1.2mm, 9 pF, 10 ppm, 9HT11 Series", Case/Package=217, Frequency=32.8kHz, IRNAS Part No.=/, Load Capacitance=12.5pF, Manufacturer=IQD, Manufacturer Part Number=LFXTAL009678, Max Operating Temperature=85°C, Min Operating Temperature=-40°C, Supplier Part Number 1=2819312, ComponentLink1Description=Datasheet, ComponentLink1URL=http://www.farnell.com/datasheets/1750031.pdf?_ga=2.80970644.2249963.1562564392-1373726713.1554121096&_gac=1.50020820.1562763802.CjwKCAjwmZbpBRAGEiwADrmVXm8xT8OHDZvJe8qZIQyyGmIuiUD-TEITatw0hIdDkyBwIXXCH7oneRoCl7cQAvD_BwE, Number of Pins=2, Pricing 1="5=0.283, 50=0.203, 250=0.169, 500=0.163, 1500=0.157, 3000=0.152, 15000=0.146 (EUR)", REACH SVHC="No SVHC", Stock 1=15609, Supplier 1=Farnell

## Free pads (board coordinates)
  rect 4x3.5 smd far side: 69(9.65,20.8)
  rect 2x1.5 smd: 101(20.84,67.54) 102(20.84,65.54) 103(20.84,63.54) 104(20.84,61.54) 105(20.84,59.54) 106(20.84,57.54) 201(21.643,30.415) 202(21.643,28.415) 204(21.643,24.415) 204(21.643,26.415) 205(21.643,22.415)
  round 1 hole 0.7: 206(14.13,72.1)
  round 5 hole 3: 207(4.02,28.9) 207(4.02,77.59)

## Via types
v1: diameter 0.5, hole 0.3, Top Layer to Bottom Layer, tented both sides, 497 vias
v2: diameter 0.4, hole 0.4, Top Layer to Bottom Layer, tented both sides, 4 vias
v3: diameter 1.2, hole 1.2, Top Layer to Bottom Layer, tented both sides, 2 vias
v4: diameter 0.3, hole 0.3, Top Layer to Bottom Layer, tented both sides, 2 vias

## Nets (pads, with @x,y where several pads share a name; then routed paths per layer and width w, separated by ;. In a path a pad name is that pad's centre, name@x,y a point inside that pad or via, vN(x,y) a via of type N, cw(c..) or ccw(c..) an arc to the next point about the centre after c; other vN are vias at no path point)
+1.8V: C3.2 C4.2 C22.2 C23.2 L5.2 R1.2 R4.2 R5.1 R7.1 T1.2 T1.5 TP2.0 U1.G1 U1.H1 U1.J1 U1.J2 U7.B2 | length 50.2
  Top Layer w0.5: v1(2.52,37.595) 1.89,38.225 1.89,43.586 v1(2.675,44.371) ; v1(11.82,26.52) 12.26,26.96 v1(15.827,26.96) 17.27,26.96 v1(17.271,26.959)
  Bottom Layer w0.2: R5.1@2.54,50.82 3.57,50.82 4.02,50.37 4.02,48.965 T1.2@4.03,48.955 4.03,48.28 ; U1.J2@4.16,45.95 4.16,45.983 4.5,46.323 4.5,46.516 4.507,46.523 4.507,46.918 4.5,46.925 4.5,46.939 4.03,47.409 T1.5@4.03,47.605 4.03,48.28 ; R7.1@5.52,49.25 4.551,48.28 4.03,48.28 ; v1(11.82,26.52) 12.18,26.16 U7.B2@12.5,26.16
  Bottom Layer w0.3: R4.2@2.52,38.54 R4.2@2.53,38.55 ; R4.2@2.58,38.6 R4.2@2.53,38.55 ; R1.2@3.58,38.43 3.13,38.43 3.01,38.55 R4.2@2.53,38.55 ; U1.G1@3.65,44.96 U1.G1@3.66,44.95 ; U1.J2@4.16,45.95 U1.J1@3.66,45.95 U1.H1@3.66,45.45 ; U1.G1@3.66,44.95 2.676,44.95 C4.2@2.676,45.162 2.676,45.45 U1.H1@3.66,45.45 ; U1.G1@3.66,44.95 U1.H1@3.66,45.45
  Bottom Layer w0.5: R4.2@2.52,38.54 v1(2.52,37.595) 2.52,32.68 3.18,32.02 5.66,32.02 9.516,28.164 10.176,28.164 v1(11.82,26.52) ; C3.2@2.675,43.58 v1(2.675,44.371) C4.2@2.675,45.162
  Bottom Layer w0.6: L5.2@14.63,26.96 v1(15.827,26.96) 16.57,26.96 C23.2@16.62,26.91 16.669,26.959 v1(17.271,26.959) 17.531,26.959 C22.2@17.97,26.52